# Altium PCB cat.PcbDoc (part 3 of 3)
Units mm, origin at the board's own origin, x right, y up, seen from the top; angles counter-clockwise.
Board outline 65 x 116 mm, 4 copper layers (Top Layer, Layer 2, Layer 3, Bottom Layer), stack 1.518 mm thick; 236 components, 164 nets, 890 pads, 231 vias.
Unrouted connection lines stored in the file: 330.
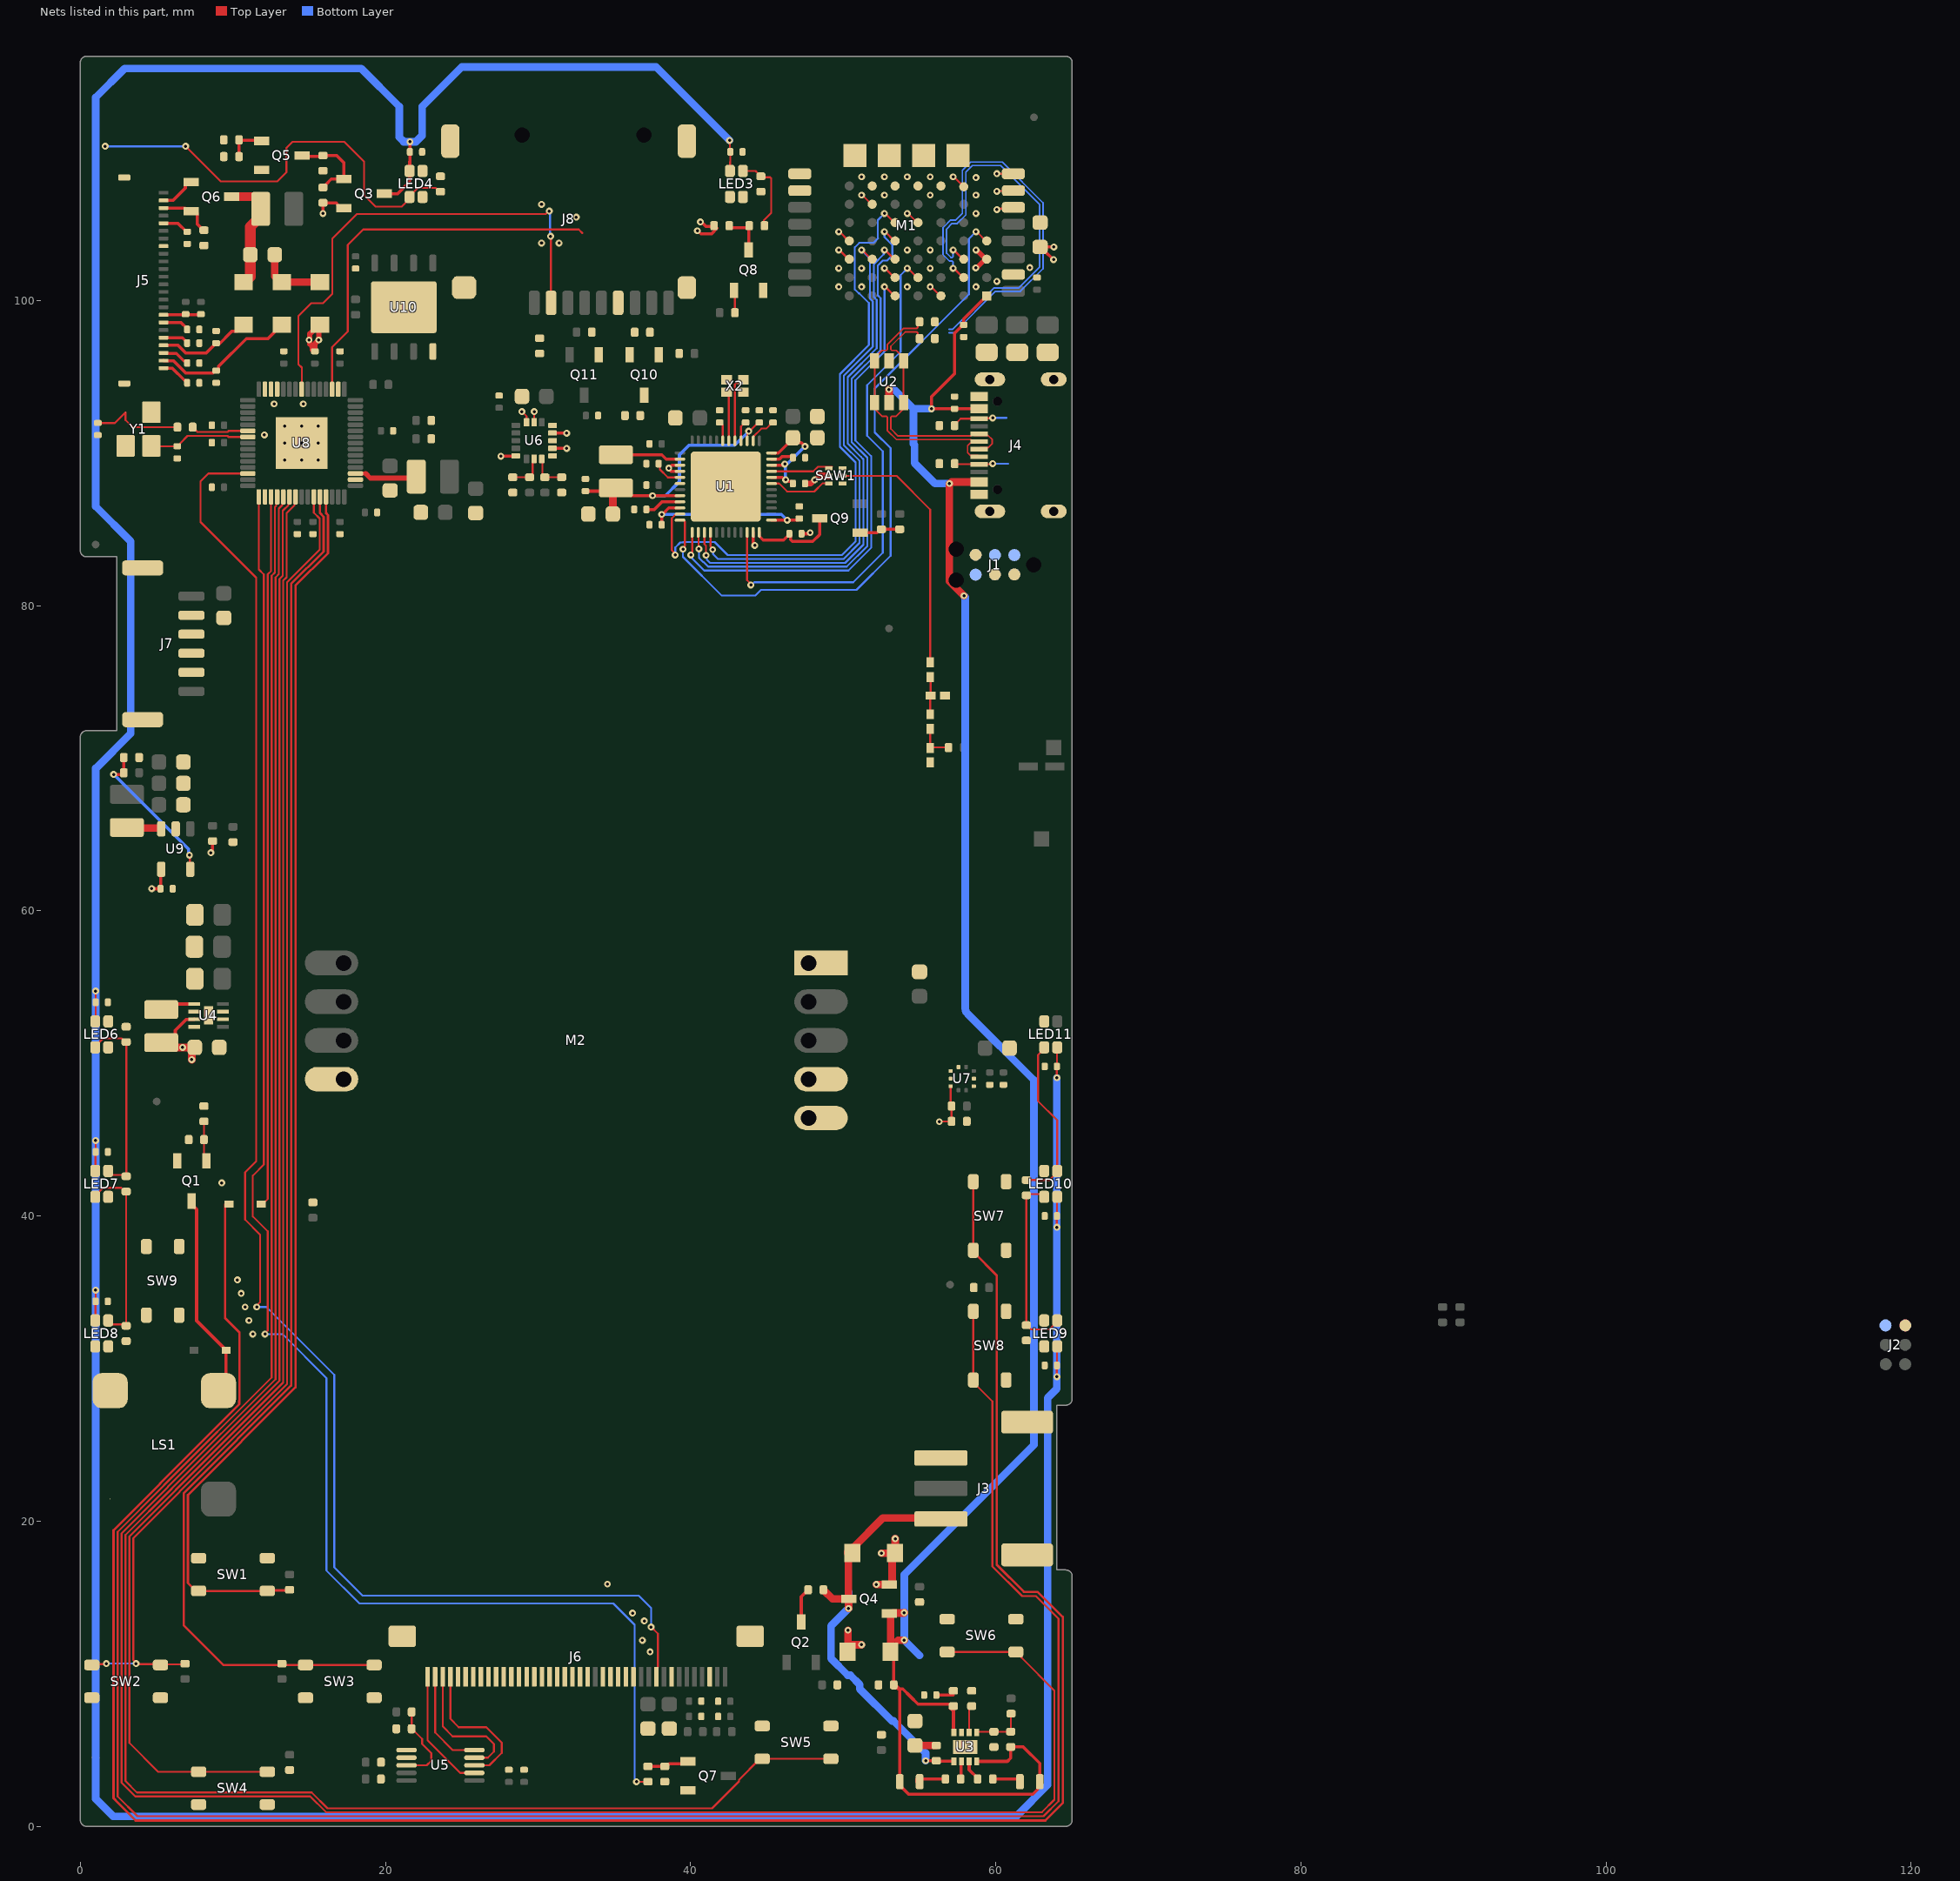
[diagram p5: the nets of this part, all layers, seen from the top]

## Via types
v1: diameter 0.45, hole 0.2, Top Layer to Bottom Layer, tented both sides, 222 vias
v2: diameter 0.5, hole 0.2, Top Layer to Bottom Layer, 9 vias

## Nets (pads, with @x,y where several pads share a name; then routed paths per layer and width w, separated by ;. In a path a pad name is that pad's centre, name@x,y a point inside that pad or via, vN(x,y) a via of type N, cw(c..) or ccw(c..) an arc to the next point about the centre after c; other vN are vias at no path point) (continued)
GND: C1.1 C2.2 C3.1 C4.2 C5.1 C6.1 C7.1 C8.1 C9.2 C10.1 C11.1 C12.1 C13.1 C14.1 C16.1 C17.1 C18.1 C19.1 C20.1 C21.1 C22.1 C23.1 C24.1 C25.1 C26.1 C27.1 C28.1 C29.1 C30.1 C31.1 C32.1 C33.1 C34.1 C35.1 C36.1 C37.1 C38.1 C39.1 C40.1 C41.1 C42.1 C43.1 C44.1 C45.1 C46.1 C47.1 C48.1 C49.1 C50.1 C51.1 C52.1 C53.1 C54.1 C55.1 C56.1 C57.2 C58.1 C59.1 C60.1 C61.2 C62.2 C63.1 C64.1 C65.1 C66.1 C67.1 C68.1 C69.1 C70.1 C71.1 C72.1 C73.1 C74.1 C75.1 C76.1 C77.1 C78.1 C79.1 C80.1 C81.1 C82.1 C83.1 C84.1 C85.1 C86.1 D14.K J1.5 J2.5 J3.3 J3.MP J4.A1/B12 J4.B1/A12 J4.MP@59.61,86.175 J4.MP@59.61,94.825 J4.MP@63.79,86.175 J4.MP@63.79,94.825 J5.8 J5.17 J5.MP J6.5 J6.6 J6.7 J6.8 J6.9 J6.10 J6.11 J6.12 J6.13 J6.14 J6.15 J6.16 J6.17 J6.18 J6.19 J6.20 J6.21 J6.22 J6.24 J6.25 J6.26 J6.27 J6.28 J6.33 J6.38 J6.MP J7.2 J7.5 J7.MP J8.6 J8.MP JP2.2 JP13.2 JP15.2 L1.1 L6.1 LED3.3 LED4.3 LED6.3 LED7.3 LED8.3 LED9.3 LED10.3 LED11.3 LS1.MP M1.10 M1.A0 M1.B0 M1.C0 M1.D0 M1.H0 M1.H1 M1.H2 M1.H3 M2.1 M2.6 Q1.2 Q5.2 Q7.2 Q10.2 R6.2 R7.2 R14.1 R15.1 R16.1 R21.1 R24.1 R25.1 R27.2 R29.2 R30.1 R32.2 R39.2 R41.1 R42.1 R49.1 R57.2 SAW1.2 SAW1.5 SAW1.7 SW1.3 SW1.4 SW2.3 SW2.4 SW3.3 SW3.4 SW4.3 SW4.4 SW5.3 SW5.4 SW6.3 SW6.4 SW7.3 SW7.4 SW8.3 SW8.4 SW9.1 SW9.2 U1.27 U1.28 U1.47 U1.EP U2.2 U3.3 U3.EP U4.2 U4.4 U4.7 U4.EP U5.6 U6.5 U6.10 U6.12 U7.3 U7.8 U7.9 U8.47 U8.EP U9.2 U10.4 U10.EP X2.2 X2.4 Y1.2 Y1.4 | length 14.4
  Top Layer w0.203: J5.17@5.45,99.057 5.451,99.059 7.859,99.059 C24.1@7.9,99.1 ; v1(27.559,89.789) 27.571,89.801 28.531,89.801 U6.5@28.542,89.812 ; U6.10@30.942,90.312 30.95,90.305 31.869,90.305 v1(31.877,90.297) ; U6.12@30.942,91.312 30.95,91.305 31.869,91.305 v1(31.877,91.297) ; U1.28@39.3,88.8 38.72,88.8 38.566,88.954 v1(38.566,89.008) 38.758,89.2 U1.27@39.3,89.2 ; U1.47@44.1,84.8 44.1,84.043 v1(44.196,83.947) ; C53.1@47.263,84.709 47.758,84.709 v1(47.828,84.779)
  Top Layer w0.35: C62.2@47.5,88 47.876,88 v1(48.119,88.243) 48.186,88.243 48.451,88.508 ; v1(14.986,97.409) 15.033,97.456 15.033,97.808 15.625,98.4 D14.K@15.7,98.4 15.621,98.321 v1(15.621,97.409) 15.367,97.155 C75.1@15.367,96.666 15.317,96.666 15.219,96.764 15.219,96.954 15.033,97.14 15.033,97.362 v1(14.986,97.409)
  Top Layer w0.45: 48.451,88.508 SAW1.2@49.05,88.508
  other v1: 37.338,11.43 36.83,12.192 36.957,13.462 36.195,13.97 34.544,15.875 11.303,32.258 11.049,33.147 10.795,34.036 10.541,34.925 10.287,35.814 9.271,42.164 12.065,91.186 12.7,93.218 14.605,93.218 49.7,100.9 51.2,100.9 54.2,100.9 58.7,100.9 60.073,101.254 49.7,102.1 51.2,102.1 55.7,102.1 62.227,102.145 54.2,103.3 55.7,103.3 30.226,103.759 31.369,103.759 32.5,105.461 58.7,105.7 30.226,106.299 52.7,106.9 55.7,106.9 58.7,106.9 58.7,108.052 51.2,108.1 52.7,108.1 54.2,108.1 55.7,108.1
  other v2: 13.4,89.554 14.5,89.554 15.6,89.554 13.4,90.654 14.5,90.654 15.6,90.654 13.4,91.754 14.5,91.754 15.6,91.754
IMU_INT1: U6.11 U8.13
IMU_INT2: U6.9 U8.14
LCD_BL: R31.1 U8.31 | length 106.4
  Top Layer w0.127: U8.31@11.7,87.129 11.7,82.369 12.027,82.042 12.027,43.374 11.303,42.649 11.303,39.967 12.281,38.989 12.281,32.494 12.095,32.307 v1(12.095,32.258) ; v1(36.449,2.921) 36.451,2.923 37.198,2.923 R31.1@37.2,2.925
  Bottom Layer w0.127: v1(12.095,32.258) 13.248,32.258 16.129,29.377 16.129,16.764 18.288,14.605 34.925,14.605 36.322,13.208 36.322,3.135 36.449,3.008 v1(36.449,2.921)
LCD_C\S\: J6.31 U8.28 | length 105.9
  Top Layer w0.127: U8.28@10.975,88.654 8.39,88.654 7.874,88.138 7.874,85.477 8.128,85.223 11.519,81.832 11.519,43.584 10.795,42.86 10.795,39.757 11.773,38.779 11.773,34.34 11.557,34.123 v1(11.557,34.036) ; v1(37.405,13.059) 37.846,12.618 37.846,10.461 37.837,10.451 37.837,9.887 J6.31@37.75,9.8
  Bottom Layer w0.127: v1(11.557,34.036) 12.188,34.036 16.637,29.587 16.637,16.974 18.498,15.113 36.598,15.113 37.405,14.306 v1(37.405,13.059)
LED_CONTROL: M1.A1 R28.1 | length 0.9
  Top Layer w0.127: v1(51.2,106.9) 51.25,106.9 51.85,106.3 M1.A1@51.9,106.3
NetC1_2: C1.2 R48.1 Y1.1 | length 6.1
  Top Layer w0.127: C1.2@1.143,91.967 2.26,91.967 Y1.1@2.96,92.667 2.96,92.163 3.429,91.694 R48.1@6.231,91.694
NetC9_1: C9.1 C49.2 C51.2 L2.1 U1.15 U1.32 | length 18.7
  Top Layer w0.127: U1.15@43.7,90.8 43.714,90.814 43.714,91.247 43.806,91.338 v1(43.806,91.426) 43.856,91.426 44.43,92 C9.1@44.5,92
  Top Layer w0.203: C51.2@33.1,87.501 34.886,87.501 L2.1@35.1,87.715 35.623,87.715 36.138,87.2 v1(37.5,87.2) U1.32@39.3,87.2
  Top Layer w0.5: L2.1@34.886,87.501 34.9,87.487 C49.2@34.9,86
  Bottom Layer w0.203: v1(37.5,87.2) 38.335,87.2 39.265,88.13 39.265,89.879 39.886,90.5 42.88,90.5 v1(43.806,91.426)
NetC11_2: C11.2 R12.1 | length 1.4
  Top Layer w0.5: C11.2@54.7,5.3 R12.1@56.1,5.3
NetC12_2: C12.2 R13.1 | length 1.1
  Top Layer w0.203: C12.2@56.1,8.6 57.2,8.6
NetC14_2: C14.2 D12.K J5.21 | length 6.2
  Top Layer w0.203: J5.21@5.45,97.057 6.393,97.057 6.904,96.546 8.246,96.546 8.752,97.052 8.752,97.102 8.85,97.2 C14.2@8.9,97.2 ; C14.2@9.05,97.1 9.927,97.977 10.277,97.977 D12.K@10.7,98.4
NetC15_1: C15.1 D12.A L4.2 Q6.3 | length 7.2
  Top Layer w0.55: Q6.3@9.925,106.8 L4.2@11.815,106.8
  Top Layer w0.7: D12.A@10.7,101.2 10.775,101.2 11.138,101.563 C15.1@11.138,102.997 11.138,104.828 11.815,105.505 L4.2@11.815,106
NetC15_2: C15.2 D13.K D14.A | length 4.5
  Top Layer w0.5: C15.2@12.738,102.997 12.738,101.587 13.125,101.2 D13.K@13.2,101.2 D14.A@15.7,101.2
NetC17_2: C17.2 D13.A J5.23 | length 9.5
  Top Layer w0.203: J5.23@5.45,96.057 5.473,96.034 6.11,96.034 6.905,95.239 8.689,95.239 8.85,95.4 8.95,95.4 9.048,95.498 9.048,95.662 10.88,97.494 12.294,97.494 D13.A@13.2,98.4
NetC18_2: C18.2 J5.5 | length 1.8
  Top Layer w0.203: J5.5@5.45,105.057 6.393,105.057 6.95,104.5 C18.2@7,104.5
NetC19_2: C19.2 J5.18 | length 1.8
  Top Layer w0.203: J5.18@5.45,98.557 6.593,98.557 7,98.15 C19.2@7,98.1
NetC20_2: C20.2 J5.20 | length 1.7
  Top Layer w0.203: J5.20@5.45,97.557 6.693,97.557 7,97.25 C20.2@7,97.2
NetC21_2: C21.2 J5.22 | length 1.9
  Top Layer w0.203: J5.22@5.45,96.557 5.473,96.534 6.285,96.534 6.77,96.048 6.902,96.048 7,95.95 C21.2@7,95.9
NetC22_2: C22.2 J5.24 | length 2
  Top Layer w0.203: J5.24@5.45,95.557 6.026,95.557 6.835,94.748 6.902,94.748 7,94.65 C22.2@7,94.6
NetC53_2: C53.2 Q9.3 U1.48 | length 6.2
  Top Layer w0.2: U1.48@44.5,84.8 44.5,84.55 44.75,84.3 46.1,84.3 46.35,84.55 46.4,84.55 C53.2@46.5,84.65 ; C53.2@46.5,84.7 46.5,84.55 46.537,84.55 46.537,84.321 46.654,84.204 48.009,84.204 48.459,84.654 48.459,85.55 Q9.3@48.634,85.725
NetC54_2: C54.2 U1.11 | length 1.5
  Top Layer w0.203: U1.11@45.3,89.6 45.817,89.6 45.975,89.758 46.602,89.758 46.7,89.66 C54.2@46.7,89.65
NetC55_2: C55.2 U1.16 | length 1.3
  Top Layer w0.127: U1.16@43.3,90.8 43.3,91.73 43.57,92 C55.2@43.6,92
NetC56_2: C56.2 U1.19 | length 1.3
  Top Layer w0.127: C56.2@41.9,92 41.93,92 42.1,91.83 U1.19@42.1,90.8
NetC57_1: C57.1 U1.14 | length 1.9
  Top Layer w0.127: U1.14@44.1,90.8 44.1,91.061 44.639,91.6 44.95,91.6 45.35,92 C57.1@45.4,92
NetC58_2: C58.2 U1.33 | length 2.4
  Top Layer w0.203: C58.2@37.1,86.3 37.621,86.3 38.121,86.8 U1.33@39.3,86.8
NetC59_2: C59.2 U1.29 | length 1.9
  Top Layer w0.127: C59.2@37.9,89.3 37.983,89.217 37.983,88.925 38.508,88.4 U1.29@39.3,88.4
NetC60_2: C60.2 C61.1 U1.1 U1.34 | length 12.3
  Top Layer w0.203: C61.1@38.1,85.3 v1(38.1,85.979) 38.151,85.979 38.572,86.4 U1.34@39.3,86.4 ; U1.1@45.3,85.6 45.301,85.601 46.324,85.601 v1(46.325,85.602) 46.85,85.602 46.855,85.608 47.019,85.608 C60.2@47.117,85.706
  Bottom Layer w0.203: v1(38.1,85.979) 45.948,85.979 v1(46.325,85.602)
NetC62_1: C62.1 C63.2 U1.8 U1.10 U1.12 | length 7.8
  Top Layer w0.203: U1.8@45.3,88.4 46.011,88.4 46.15,88.261 46.15,88.174 v1@46.179,88.204 ; U1.10@45.3,89.2 46.028,89.2 46.107,89.279 v1(46.173,89.279) ; U1.12@45.3,90 45.75,90 C63.2@46.32,90.57 ; v1(46.227,88.251) v1@46.179,88.204 ; C62.1@46.65,88 46.65,88.1 46.602,88.148 46.396,88.148 46.341,88.204 v1@46.179,88.204 ; C63.2@46.7,91 47.015,90.686 47.242,90.686 v1(47.5,90.427)
  Bottom Layer w0.203: v1(46.227,88.251) 46.2,88.277 46.2,89.252 v1(46.173,89.279) 46.221,89.326 46.369,89.326 47.47,90.427 v1(47.5,90.427)
NetC68_2: C68.2 U8.22 Y1.3 | length 6.7
  Top Layer w0.127: Y1.3@4.66,90.186 4.917,90.443 6.38,90.443 6.536,90.599 6.536,90.63 7.025,91.118 9.637,91.118 9.702,91.054 U8.22@10.975,91.054
NetD1_K: D1.K SW7.1 SW7.2 | length 149.7
  Top Layer w0.152: D1.K@9.486,40.767 9.486,33.313 10.426,32.373 10.426,28.171 10.415,27.665 5.219,22.469 5.219,22.451 2.171,19.404 2.171,1.847 2.286,1.732 2.286,1.714 3.619,0.381 63.246,0.381 64.389,1.524 64.389,13.716 62.738,15.367 61.843,15.367 60.061,17.149 60.061,36.108 58.525,37.643 SW7.1@58.525,37.75 SW7.2@58.525,42.25
NetD9_A: D9.A LS1.- Q1.3 | length 13.4
  Top Layer w0.203: Q1.3@7.3,40.975 7.3,40.75 7.62,40.43 7.62,33.135 D9.A@9.555,31.2 9.555,28.645 LS1.-@9.65,28.55
NetJ4_A5: J4.A5 R14.2 | length 3.5
  Top Layer w0.127: R14.2@57.3,89.3 57.325,89.275 58.875,89.275 J4.A5@58.9,89.25 58.925,89.275 59.775,89.275 v1(59.8,89.3)
  Bottom Layer w0.127: v1(59.8,89.3) 60.8,89.3
NetJ4_B5: J4.B5 R16.2 | length 3.6
  Top Layer w0.127: R16.2@57.3,91.8 57.3,91.85 57.7,92.25 J4.B5@58.9,92.25 58.925,92.275 59.775,92.275 v1(59.8,92.3)
  Bottom Layer w0.127: v1(59.8,92.3) 60.7,92.3
NetJ5_2: J5.2 Q6.1 | length 2.4
  Top Layer w0.203: J5.2@5.45,106.557 6.08,106.557 6.877,107.354 6.877,107.577 7.05,107.75 Q6.1@7.275,107.75
NetJ5_3: J5.3 Q6.2 R30.2 | length 3.7
  Top Layer w0.203: J5.3@5.45,106.057 6.843,106.057 7.05,105.85 Q6.2@7.275,105.85 7.5,105.85 7.673,105.677 7.673,104.989 8.063,104.6 R30.2@8.1,104.6
NetJP1_2: JP1.2 JP2.1 U5.8 | length 5.6
  Top Layer w0.127: U5.8@21.375,4 22.7,4 23,4.3 23,4.8 22.4,5.4 22.4,5.724 21.717,6.407 JP1.2@21.717,7.621
NetJP3_1: JP3.1 LED3.4 R35.2 | length 5.1
  Top Layer w0.127: LED3.4@43.425,108.485 44.25,108.485 44.401,108.334 44.401,108.317 44.583,108.135 JP3.1@44.6,108.135 44.658,108.077 45.204,108.077 45.278,108.003 45.278,105.728 44.8,105.25 44.8,105.2
NetJP3_2: JP3.2 JP4.1 LED3.1 LED4.4
NetJP4_2: JP4.2 JP6.1 LED4.1 LED6.4 | length 29
  Top Layer w0.127: v1(6.9,110.1) 9.2,107.8 12.9,107.8 13.5,108.4 13.5,110 13.9,110.4 17.3,110.4 18.6,109.1 18.6,106.9 19.35,106.15 21.06,106.15 21.575,106.665 21.575,106.834 22.116,107.376 23.289,107.376 23.525,107.14 23.612,107.14 JP4.2@23.799,106.953
  Bottom Layer w0.127: v1(1.627,110.1) v1(6.9,110.1)
NetJP6_2: JP6.2 JP7.1 LED6.1 LED7.4 | length 13.4
  Top Layer w0.127: LED6.1@0.975,51.05 0.975,51.125 1.49,51.641 2.689,51.641 2.93,51.4 JP6.2@3,51.4 ; JP6.2@2.95,51.4 3.01,51.34 3.01,42.782 JP7.1@3,42.782 ; LED7.4@1.825,42.947 LED7.4@1.825,42.95 ; LED7.4@1.825,42.947 LED7.4@2.079,42.693 ; LED7.4@1.825,42.947 LED7.4@1.825,42.95 ; LED7.4@1.825,42.947 LED7.4@2.079,42.693 ; LED7.4@1.825,42.947 LED7.4@2.079,42.693 ; LED7.4@1.825,42.947 LED7.4@1.825,42.95 ; LED7.4@2.079,42.693 JP7.1@2.907,42.693 ; JP7.1@2.907,42.693 2.912,42.693 JP7.1@3,42.782 ; JP7.1@2.907,42.693 JP7.1@3,42.6 JP7.1@3,42.782
NetJP7_2: JP7.2 JP8.1 LED7.1 LED8.4 | length 13.3
  Top Layer w0.127: LED7.1@0.975,41.25 0.975,41.325 1.49,41.841 2.676,41.841 2.917,41.6 JP7.2@3,41.6 ; JP8.1@3,32.8 2.907,32.893 LED8.4@2.079,32.893 ; JP8.1@3.01,32.8 3,32.81 3,41.59 JP7.2@3.01,41.6 ; LED8.4@1.825,33.147 LED8.4@1.825,33.15 ; LED8.4@1.825,33.147 LED8.4@2.079,32.893 ; LED8.4@1.825,33.147 LED8.4@1.825,33.15 ; LED8.4@1.825,33.147 LED8.4@2.079,32.893 ; LED8.4@1.825,33.147 LED8.4@1.825,33.15 ; LED8.4@1.825,33.147 LED8.4@2.079,32.893
NetJP8_2: JP8.2 JP9.1 LED8.1 LED9.4
NetJP9_2: JP9.2 JP10.1 LED9.1 LED10.4 | length 12.1
  Top Layer w0.127: JP9.2@62,32.845 62,40.753 JP10.1@62,41.35 62.086,41.436 62.989,41.436 LED10.4@63.175,41.25 ; JP9.2@62.026,32.845 62.311,32.56 63.509,32.56 LED9.1@64.025,33.075
NetJP10_2: JP10.2 LED10.1 LED11.4 | length 11
  Top Layer w0.127: JP10.2@62.192,42.492 62.324,42.359 63.509,42.359 LED10.1@63.987,42.838 ; LED11.4@63.175,51.05 63.175,50.952 62.774,50.552 62.774,47.525 64.025,46.274 64.025,42.875 LED10.1@64.025,42.8
NetJP12_2: JP12.2 JP13.1 U6.7 | length 2.4
  Top Layer w0.127: JP13.1@28.342,88.412 JP12.2@29.442,88.412 29.457,88.412 29.639,88.594 29.639,89.509 U6.7@29.742,89.612
NetJP14_2: JP14.2 JP15.1 U6.8 | length 2.4
  Top Layer w0.127: U6.8@30.242,89.612 30.284,89.57 30.284,88.57 JP14.2@30.442,88.412 JP15.1@31.542,88.412
NetL1_2: L1.2 L5.1 R22.1 | length 2.5
  Top Layer w0.119: L5.1@55.7,71.925 L1.2@55.7,70.675 55.725,70.7 R22.1@56.9,70.7
NetL2_2: L2.2 U1.26 | length 4.3
  Top Layer w0.203: L2.2@35.1,89.885 38.115,89.885 38.4,89.6 U1.26@39.3,89.6
NetL3_2: L3.2 U4.1 | length 1.8
  Top Layer w0.203: L3.2@5.663,53.889 U4.1@7.458,53.889
NetL5_2: L5.2 L6.2 L7.1 | length 2.5
  Top Layer w0.119: L5.2@55.7,72.875 55.7,74.075 L6.2@55.725,74.1 55.725,75.3 L7.1@55.7,75.325
NetL7_2: L7.2 SAW1.6 | length 16.7
  Top Layer w0.119: SAW1.6@49.95,88.508 53.492,88.508 55.7,86.3 L7.2@55.7,76.275
NetL8_1: L8.1 U9.3 | length 2.3
  Top Layer w0.5: L8.1@3.049,65.461 3.094,65.416 5.274,65.416 5.299,65.391 U9.3@5.299,65.371
NetL9_1: L9.1 U8.48 | length 4.2
  Top Layer w0.24: U8.48@18.025,88.654 18.7,88.654
  Top Layer w0.32: 18.7,88.654 19,88.354 21.915,88.354 L9.1@22.015,88.454
NetLED1_1: LED1.1 R17.1 | length 1.8
  Top Layer w0.203: R17.1@59.8,3.1 61.433,3.1 61.444,3.089 LED1.1@61.444,2.907
NetLED2_1: LED2.1 R18.1 | length 2.1
  Top Layer w0.203: LED2.1@54.827,2.9 54.827,3.1 R18.1@56.7,3.1
NetQ1_1: Q1.1 R5.2 R6.1 | length 2.6
  Top Layer w0.127: R5.2@8.1,46.2 R6.1@8.1,45 8.1,43.775 Q1.1@8.25,43.625
NetQ2_3: Q2.3 R23.1 | length 2.3
  Top Layer w0.203: Q2.3@47.244,13.39 47.244,15.044 R23.1@47.7,15.5
NetQ3_1: Q3.1 Q5.3 R26.1 R27.1 | length 5.8
  Top Layer w0.203: Q5.3@14.525,109.5 14.575,109.45 16.008,109.45 R27.1@16.058,109.4 ; R26.1@15.9,107.4 15.937,107.4 16.084,107.547 16.084,107.584 16.45,107.95 Q3.1@17.275,107.95 17.275,109.025 16.8,109.5 R27.1@15.9,109.5
NetQ5_1: Q5.1 R28.2 R29.1 | length 2.6
  Top Layer w0.203: R29.1@10.4,109.425 R28.2@10.4,110.525 10.438,110.487 11.838,110.487 Q5.1@11.875,110.45
NetQ7_1: Q7.1 R31.2 R32.1 | length 2.8
  Top Layer w0.203: R31.2@37.2,3.925 R32.1@38.3,3.925 38.434,4.059 38.567,4.059 38.617,4.109 39.68,4.109 Q7.1@39.823,4.252
NetQ8_1: Q8.1 R37.1 | length 1.4
  Top Layer w0.127: R37.1@42.9,99.192 Q8.1@42.9,100.617
NetQ8_3: Q8.3 R35.1 R36.1 | length 2.7
  Top Layer w0.203: R36.1@42.736,104.767 R35.1@43.836,104.767 ; Q8.3@43.8,103.317 43.8,104.858 R35.1@43.836,104.894
NetQ9_1: Q9.1 R46.1 R47.2 | length 2.7
  Top Layer w0.2: Q9.1@51.109,84.775 52.211,84.775 52.436,85 R46.1@52.5,85 R47.2@53.7,85
NetQ10_1: Q10.1 R7.1 R44.2
NetQ10_3: Q10.3 Q11.1 R45.1 R57.1
NetR15_2: R15.2 U3.2 | length 1.8
  Top Layer w0.127: U3.2@58.25,6.145 58.25,7.712 R15.2@58.42,7.882
NetR17_2: R17.2 U3.7 | length 1.4
  Top Layer w0.127: R17.2@58.8,3.1 58.8,3.15 R17.2@58.8,3.157
  Top Layer w0.203: U3.7@58.25,4.255 58.25,3.7 R17.2@58.8,3.15
NetR18_2: R18.2 U3.6 | length 1.2
  Top Layer w0.203: R18.2@57.7,3.1 57.725,3.125 57.725,4.23 U3.6@57.75,4.255
NetR19_2: R19.2 R20.2 R21.2 U3.1 | length 3.4
  Top Layer w0.127: U3.1@58.75,6.145 58.805,6.2 R21.2@59.875,6.2 R19.2@60.975,6.2 60.988,6.213 60.988,7.373 R20.2@61,7.386
NetR38_2: R38.2 R39.1 U7.5 | length 3.1
  Top Layer w0.127: v1(56.3,46.175) 56.312,46.187 57.087,46.187 R39.1@57.1,46.2 R38.2@57.1,47.2 57.04,47.26 U7.5@57.04,48.5
NetR42_2: R42.2 R43.1 U9.5 | length 10
  Top Layer w0.127: v1(7.149,63.646) 7.174,63.621 7.174,62.746 U9.5@7.199,62.721
  Top Layer w0.203: v1(2.181,68.939) 2.742,68.939 R43.1@2.849,69.046 R42.2@2.849,70.046
  Bottom Layer w0.203: v1(2.181,68.939) 7.102,64.018 7.102,63.693 v1(7.149,63.646)
NetR48_2: R48.2 U8.21 | length 3.7
  Top Layer w0.127: R48.2@7.358,91.567 7.468,91.567 7.578,91.458 7.603,91.458 7.68,91.381 9.637,91.381 9.711,91.454 U8.21@10.975,91.454
NetSAW1_1: SAW1.1 U1.9 | length 4.1
  Top Layer w0.119: U1.9@45.3,88.8 48.033,88.8 48.333,89.1 SAW1.1@49.258,89.1
NetSAW1_3: SAW1.3 U1.7 | length 4.2
  Top Layer w0.119: U1.7@45.3,88 45.8,88 46.316,87.484 48.13,87.484 ; 48.13,87.5 48.638,88.008 SAW1.3@49.05,88.008
NetTP22_1: U6.16 | length 0.8
  Top Layer w0.127: v1(28.942,92.712) 29.242,92.412 U6.16@29.242,92.012
NetTP23_1: U6.15 | length 0.7
  Top Layer w0.127: U6.15@29.742,92.012 v1(29.742,92.712)
NetTP24_1: U6.13
NetU1_17: U1.17 X2.1 | length 4.5
  Top Layer w0.127: U1.17@42.9,90.8 42.9,94.5 42.992,94.592 43.242,94.592 X2.1@43.487,94.837 ; X2.1@43.437,95.037 X2.1@43.487,95.037
NetU1_18: U1.18 X2.3 | length 3.5
  Top Layer w0.127: X2.3@42.325,93.975 42.5,93.8 U1.18@42.5,90.8 ; X2.3@42.325,94.175 X2.3@42.5,94
nRF_C\S\: M1.B5 U8.3 | length 26.7
  Top Layer w0.127: U8.3@16.5,94.179 16.5,96.935 17.526,97.961 17.526,103.632 18.542,104.648 32.661,104.648 32.904,104.405 ; v1(52.7,102.1) 52.75,102.1 53.35,101.5 M1.B5@53.4,101.5
nRF_D0: M1.B6 U1.37 | length 33.7
  Top Layer w0.127: v1(40.005,83.312) 40.005,83.399 40.1,83.494 U1.37@40.1,84.8 ; v1(52.7,100.9) 52.75,100.9 53.35,100.3 M1.B6@53.4,100.3
  Bottom Layer w0.127: v1(40.005,83.312) 40.005,83.225 40.108,83.121 40.108,83.082 40.894,82.296 50.336,82.296 51.829,83.789 51.829,89.798 50.8,90.827 50.8,94.755 52.7,96.655 v1(52.7,100.9)
nRF_D1: M1.B3 U1.38 | length 37.1
  Top Layer w0.127: U1.38@40.5,84.8 40.514,84.786 40.514,83.747 v1(40.541,83.72) ; v1(52.7,104.5) 52.75,104.5 53.35,103.9 M1.B3@53.4,103.9
  Bottom Layer w0.127: v1(40.541,83.72) 40.541,83.157 40.563,83.135 40.563,83.113 40.822,82.854 40.844,82.854 41.148,82.55 50.23,82.55 51.575,83.894 51.575,89.693 50.546,90.722 50.546,94.86 52.446,96.76 52.446,100.143 52.259,100.33 52.259,102.283 52.592,102.616 52.876,102.616 53.224,102.964 53.224,103.621 52.7,104.145 v1(52.7,104.5)
nRF_D2: M1.B4 U1.39 | length 34.5
  Top Layer w0.127: U1.39@40.9,84.8 40.9,84.021 41.004,83.917 v1(41.004,83.295) ; v1(52.7,103.3) 52.75,103.3 53.35,102.7 M1.B4@53.4,102.7
  Bottom Layer w0.127: v1(41.004,83.295) 41.061,83.239 41.061,83.018 41.275,82.804 50.125,82.804 51.321,83.999 51.321,89.588 51.172,89.736 50.292,90.616 50.292,94.965 52.192,96.865 52.192,100.037 52.005,100.224 52.005,102.388 52.642,103.025 52.642,103.242 v1(52.7,103.3)
nRF_D3: M1.A4 U1.40 | length 33.3
  Top Layer w0.127: U1.40@41.3,84.8 41.3,83.9 41.445,83.755 v1(41.445,83.668) ; v1(51.2,103.3) 51.25,103.3 51.85,102.7 M1.A4@51.9,102.7
  Bottom Layer w0.127: v1(41.445,83.668) 41.476,83.637 41.476,83.365 41.783,83.058 50.02,83.058 51.067,84.105 51.067,89.483 51.044,89.505 50.038,90.511 50.038,95.071 51.938,96.971 51.938,99.932 51.751,100.119 51.751,102.749 v1(51.2,103.3)
nRF_D+: M1.E4 R10.2 | length 25.8
  Top Layer w0.127: v1(57.2,103.3) 57.25,103.3 57.85,102.7 M1.E4@57.9,102.7
  Bottom Layer w0.105: 56.933,98.112 57.177,98.112 59.889,100.824 61.514,100.824 62.865,102.175 62.865,106.299 60.325,108.839 58.457,108.839 58.039,108.421 58.039,105.604 57.474,105.039 57.131,105.039 56.77,104.678 56.77,103.098 57.052,102.816 57.139,102.816 57.2,102.877 v1(57.2,103.3)
nRF_D-: M1.E5 R11.2 | length 27.3
  Top Layer w0.127: v1(57.2,102.1) 57.25,102.1 57.85,101.5 M1.E5@57.9,101.5
  Bottom Layer w0.105: 56.933,97.88 57.273,97.88 59.985,100.593 61.61,100.593 63.097,102.079 63.097,106.395 60.421,109.071 58.361,109.071 57.807,108.517 57.807,105.7 57.378,105.27 57.035,105.27 56.539,104.774 56.539,103.002 56.956,102.584 57.139,102.584 57.2,102.523 v1(57.2,102.1)
nRF_SCK: M1.B2 U1.35 | length 41.8
  Top Layer w0.127: v1(38.989,83.312) 38.989,83.399 38.76,83.629 38.76,85.72 39.039,86 U1.35@39.3,86 ; v1(52.7,105.7) 52.75,105.7 53.35,105.1 M1.B2@53.4,105.1
  Bottom Layer w0.127: v1(38.989,83.312) 38.989,83.809 39.314,84.134 39.497,84.134 39.524,84.161 41.575,84.161 42.424,83.312 49.915,83.312 50.813,84.21 50.813,89.377 49.784,90.406 49.784,95.176 51.684,97.076 51.684,99.827 51.052,100.459 51.017,100.459 50.759,100.717 50.759,103.483 51.051,103.774 51.98,103.774 52.271,104.066 52.259,104.078 52.259,105.259 v1(52.7,105.7)
nRF_SCL: J7.4 M1.2 M2.5 R9.2 U7.2
nRF_SDA: J7.3 M1.1 M2.4 R8.2 U7.4
nRF_SWCLK: J1.4 M1.15 | length 1.1
  Top Layer w0.127: v1(60.073,107.154) 60.096,107.177 61.127,107.177 M1.15@61.15,107.199
nRF_SWDIO: J1.2 M1.16 | length 1.1
  Top Layer w0.127: v1(60.073,108.306) 60.076,108.303 61.147,108.303 M1.16@61.15,108.299
RGB_DATA: M1.D6 Q8.2 | length 0.9
  Top Layer w0.127: v1(55.7,100.9) 55.75,100.9 56.35,100.3 M1.D6@56.4,100.3
SD_C\S\: J8.2 R49.2 U8.8 | length 32.4
  Top Layer w0.127: U8.8@14.5,94.179 14.559,94.238 14.514,94.284 14.514,95.595 14.291,95.818 14.291,98.978 15.135,99.822 15.897,99.822 16.51,100.435 16.51,104.053 18.121,105.664 30.498,105.664 30.685,105.851 v1(30.734,105.851) ; v1(30.82,104.207) 30.835,104.192 30.835,99.858 J8.2@30.85,99.843
  Bottom Layer w0.127: v1(30.734,105.851) 30.777,105.808 30.777,104.25 v1(30.82,104.207)
SEN55_BOOST: M1.E0 U4.6 | length 0.9
  Top Layer w0.127: v1(57.2,108.1) 57.25,108.1 57.85,107.5 M1.E0@57.9,107.5
SPEAKER_OUT: R5.1 U8.2
SW_A: R1.2 SW6.1 SW6.2 U8.35 | length 166.2
  Top Layer w0.127: U8.35@13.3,87.129 13.24,87.07 13.24,86.594 13.008,86.362 13.008,82.066 12.789,81.848 12.789,29.303 5.739,22.253 5.739,22.235 2.705,19.2 2.705,2.861 3.6,1.966 15.059,1.966 16.098,0.927 63.02,0.927 63.843,1.75 63.843,8.894 61.68,11.057 61.68,11.147 61.402,11.425 SW6.1@61.312,11.425 SW6.2@56.812,11.425
SW_B: R2.2 SW5.1 SW5.2 U8.36 | length 137
  Top Layer w0.127: U8.36@13.7,87.129 13.64,87.07 13.64,86.594 13.262,86.216 13.262,81.961 13.043,81.742 13.043,29.198 5.993,22.148 5.993,22.13 2.959,19.095 2.959,2.967 3.706,2.22 15.164,2.22 16.203,1.181 41.396,1.181 43.164,2.948 43.164,3.051 44.538,4.425 SW5.2@44.688,4.425 SW5.1@49.188,4.425
SW_DOWN: R4.2 SW4.1 SW4.2 U8.37 | length 96
  Top Layer w0.127: SW4.2@12.25,3.575 SW4.1@7.75,3.575 5.099,3.575 3.213,5.461 3.213,18.99 6.247,22.025 6.247,22.043 13.297,29.093 13.297,81.637 13.516,81.856 13.516,86.07 14.04,86.594 14.04,87.069 U8.37@14.1,87.129
SW_LEFT: R58.2 SW2.1 SW2.2 U8.40 | length 88
  Top Layer w0.127: SW2.1@0.75,10.575 0.796,10.622 1.659,10.622 v1(1.706,10.668) ; R58.2@6.858,10.66 6.816,10.618 5.293,10.618 SW2.2@5.25,10.575 5.203,10.622 3.7,10.622 v1(3.653,10.668) 3.653,10.717 3.467,10.904 3.467,18.885 6.501,21.92 6.501,21.937 13.551,28.988 13.551,81.532 15.68,83.661 15.68,85.71 15.3,86.091 U8.40@15.3,87.129
  Bottom Layer w0.127: v1(1.706,10.668) v1(3.653,10.668)
SW_RESET: M1.14 SW9.3 SW9.4 | length 1.1
  Top Layer w0.127: v1(60.073,105.954) 60.135,106.016 61.066,106.016 M1.14@61.15,106.099
SW_RIGHT: R59.2 SW3.1 SW3.2 U8.41 | length 91.4
  Top Layer w0.152: U8.41@15.7,87.129 15.7,86.068 15.947,85.821 15.947,83.551 13.818,81.422 13.818,28.877 6.768,21.827 6.768,13.171 9.364,10.575 SW3.1@14.753,10.575 SW3.2@19.253,10.575
SW_SELECT: R60.2 SW8.1 SW8.2 U8.34 | length 187.4
  Top Layer w0.127: U8.34@12.9,86.753 12.9,87.069 U8.34@12.9,87.129 12.84,87.069 12.84,86.553 12.754,86.467 12.754,82.171 12.535,81.953 12.535,29.408 5.485,22.358 5.485,22.341 2.438,19.293 2.438,1.957 3.735,0.66 63.13,0.66 64.11,1.64 64.11,13.6 62.622,15.088 61.727,15.088 59.782,17.034 59.782,27.843 58.525,29.1 SW8.1@58.525,29.25 SW8.2@58.525,33.75
SW_START: D1.A R61.2 U8.33 | length 46.7
  Top Layer w0.127: D1.A@11.85,40.767 12.012,40.929 12.1,40.929 12.281,41.11 12.281,82.058 12.5,82.276 U8.33@12.5,87.129
SW_UP: R3.2 SW1.1 SW1.2 U8.42 | length 82.1
  Top Layer w0.152: R3.2@13.843,15.502 13.805,15.463 12.288,15.463 SW1.1@12.25,15.425 SW1.2@7.75,15.425 7.562,15.425 7.047,15.94 7.047,21.712 14.097,28.762 14.097,81.306 16.226,83.435 16.226,85.936 16.1,86.062 U8.42@16.1,87.129
SYNC/ALIVE: M1.Z3 U8.32 | length 0.9
  Top Layer w0.127: v1(49.7,104.5) 49.75,104.5 50.35,103.9 M1.Z3@50.4,103.9
TOUCH_INT: U5.7 U8.12
TOUCH_X+: J6.1 U5.2 | length 8.1
  Top Layer w0.127: J6.1@22.75,9.3 22.75,5.65 24.9,3.5 U5.2@25.825,3.5
  Top Layer w0.152: J6.1@22.75,9.3 J6.1@22.75,9.8
TOUCH_X-: J6.3 U5.4 | length 9
  Top Layer w0.127: J6.3@23.75,9.8 23.75,6.55 24.4,5.9 26.6,5.9 27.1,5.4 27.1,4.9 26.7,4.5 U5.4@25.825,4.5
TOUCH_Y+: J6.4 U5.3 | length 9.6
  Top Layer w0.127: J6.4@24.25,9.8 24.25,7.05 24.8,6.5 26.6,6.5 27.616,5.484 27.616,4.816 26.8,4 U5.3@25.825,4
TOUCH_Y-: J6.2 U5.5 | length 6.6
  Top Layer w0.127: J6.2@23.25,9.737 23.25,6.15 24.4,5 U5.5@25.825,5
USB0_D+: J4.A6 J4.B6 R10.1 U2.1 U2.6 | length 17
  Top Layer w0.105: U2.6@53.954,92.894 53.475,92.415 53.181,92.415 53.12,92.353 53.12,91.581 53.585,91.116 58.346,91.116 58.48,91.25 58.578,91.152 59.492,91.152 59.766,90.878 59.766,90.621 59.493,90.348 58.998,90.348 J4.A6@58.9,90.25 ; U2.6@53.954,93.294 U2.1@53.954,96.044 53.954,96.244 53.475,96.723 53.181,96.723 53.12,96.785 53.12,96.996 54.058,97.934 54.822,97.934 54.883,97.873 54.883,97.617 R10.1@55,97.5
USB0_D-: J4.A7 J4.B7 R11.1 U2.3 U2.4 | length 17.6
  Top Layer w0.105: U2.4@52.054,92.894 52.534,92.415 52.827,92.415 52.888,92.353 52.888,91.485 53.489,90.884 58.346,90.884 58.48,90.75 J4.A7@58.9,90.75 58.802,90.652 58.329,90.652 58.151,90.474 58.151,90.026 58.329,89.848 58.802,89.848 J4.B7@58.9,89.75 ; U2.4@52.054,93.294 U2.3@52.054,96.044 52.054,96.244 52.534,96.723 52.827,96.723 52.888,96.785 52.888,97.092 53.963,98.166 54.822,98.166 54.883,98.227 54.883,98.483 R11.1@55,98.6
USB1_D+: R53.2
USB1_D-: R54.2
USB_MUX: M1.Z4 | length 0.9
  Top Layer w0.127: v1(49.7,103.3) 49.75,103.3 50.35,102.7 M1.Z4@50.4,102.7
VBAT: D11.A J3.1 Q4.3 R12.2 R23.2 U3.5 | length 28.7
  Top Layer w0.203: v1(55.4,4.3) R12.2@56.1,4.3 56.123,4.277 57.228,4.277 U3.5@57.25,4.255
  Top Layer w0.5: R23.2@48.7,15.5 48.7,15.45 48.75,15.45 49.3,14.9 50.33,14.9 50.346,14.916 v1(50.346,14.279) ; Q4.3@50.338,14.925 50.338,17.863 50.3,17.9 50.3,17.975 50.575,18.25 50.65,18.25 52.6,20.2 J3.1@56.3,20.2
  Bottom Layer w0.5: 50.346,15.339 v1(50.346,14.279) 49.2,13.133 49.2,10.998 50.3,9.898 50.471,9.898 51.084,9.286 51.084,9.011 53.19,6.905 53.293,6.905 55.4,4.798 v1(55.4,4.3)
VBUS: C4.1 C10.2 D10.A J4.A4/B9 J4.A9/B4 LED1.2 LED2.2 M1.F6 Q4.1 R13.2 R19.1 R25.2 U2.5 U3.4 U3.8 | length 143.7
  Top Layer w0.203: R25.2@53.311,9.271 53.311,9.234 53.458,9.087 53.495,9.087 53.582,9 53.7,9 ; 53.5,12.3 53.1,11.9 53.3,11.7 53.3,9.4 53.37,9.33 53.554,9.146 53.641,9.059 53.7,9 ; R13.2@57.019,7.731 57.15,7.6 57.2,7.6 57.225,7.575 57.225,6.17 U3.4@57.25,6.145 ; R13.2@57.22,7.882 57.102,8 54.9,8 54.4,8.5 53.9,9 53.7,9 ; U3.8@58.75,4.255 60.755,4.255 60.975,4.475 R19.1@60.975,5.2 61.8,5.2 62.88,4.12 LED1.2@62.88,2.849 ; J4.A9/B4@58.9,92.9 C4.1@57.3,92.9 v1(55.787,92.9) 55.787,93.687 57.3,95.2 57.3,97.85 57.85,98.4 C10.2@57.9,98.4 57.9,98.795 58.6,99.495 58.6,99.5 M1.F6@59.4,100.3 ; LED1.2@62.88,2.921 62.746,2.787 62.746,2.421 62.425,2.1 54.288,2.1 53.7,2.688 53.7,9
  Top Layer w0.5: U2.5@53.004,93.294 v1(53.004,94.169) ; Q4.1@53.025,13.95 Q4.1@53.075,13.95 ; D10.A@53.1,11.9 53.1,13.925 Q4.1@53.075,13.95 ; 53.6,12.2 v1(54,12.2) ; v1(54,14) 53.975,13.975 53.275,13.975 53.25,13.95 Q4.1@53.075,13.95 ; v1(56.959,88) 56.959,81.598 v1(57.912,80.645) ; v1@57,88 57.1,88.1 J4.A4/B9@58.9,88.1
  Bottom Layer w0.5: 53.3,94.2 54.6,92.9 ; 55,11.2 v1(54,12.2) 54,16.5 62.5,25 62.5,48.9 58.146,53.254 ; v1(55.787,92.9) 54.6,92.9 ; v1(56.959,88) 56.018,88 54.668,89.35 54.668,90.532 54.6,90.6 54.6,92.9 ; v1(57.912,80.645) 58,80.557 58,53.607 ccw(c58.5,53.607) 58.145,53.255
VLED: C31.2 C32.2 C34.2 C35.2 C36.2 C37.2 C38.2 C39.2 LED3.2 LED4.2 LED6.2 LED7.2 LED8.2 LED9.2 LED10.2 LED11.2 Q3.3 | length 293
  Top Layer w0.127: LED8.2@0.975,33.15 0.987,33.163 0.987,34.388 C36.2@1,34.4 v1(1,35.141) ; LED7.2@0.975,42.95 0.987,42.963 0.987,44.188 C35.2@1,44.2 v1(1,44.941) ; LED6.2@0.975,52.75 0.997,52.772 C34.2@0.997,53.994 ; C34.2@1,54 v1(1,54.741) ; 21.575,107.85 21.588,107.863 ; 21.588,109.088 21.6,109.1 ; v1(42.545,110.49) 42.573,110.462 42.573,109.763 C31.2@42.6,109.735 42.6,109.1 42.588,109.088 42.588,108.498 LED3.2@42.575,108.485 ; v1(64,29.459) C37.2@64,30.2 64.013,30.212 64.013,31.437 LED9.2@64.025,31.45 ; v1(64,39.259) C38.2@64,40 64.013,40.012 64.013,41.237 LED10.2@64.025,41.25 ; v1(64,49.059) C39.2@64,49.8 64.013,49.812 64.013,51.037 LED11.2@64.025,51.05
  Top Layer w0.203: Q3.3@19.925,107 20.8,107 21.575,107.775 21.575,107.85 ; 21.588,107.863 21.588,109.088 ; 21.6,109.1 v1(21.6,110.4)
  Bottom Layer w0.5: v1(42.545,110.49) 37.735,115.3 25,115.3 22.4,112.7 22.4,110.8 22,110.4 v1(21.6,110.4) 21.193,110.4 20.9,110.693 20.9,112.7 18.4,115.2 2.9,115.2 1,113.3 1,104.8 1,89 1,86.5 3.3,84.2 3.3,71.626 1.01,69.336 1.01,54.755 1,54.746 v1(1,54.741) 1.01,54.731 1.01,44.95 v1(1,44.941) 1.01,44.931 1.01,41.671 1.01,35.15 v1(1,35.141) 1.01,35.131 1.01,1.79 2.151,0.649 61.334,0.649 63.4,2.715 63.4,28.08 64,28.68 v1(64,29.459) ; v1(64,39.259) 64,47.634 ; v1(64,29.459) v1(64,39.259) ; 64,47.634 v1(64,49.059)
VSYS: C5.2 C33.2 C64.2 D10.K D11.K L3.1 M1.F4 Q3.2 Q4.2 R26.2 R36.2 R40.2 U4.3 U9.4 | length 24
  Top Layer w0.203: v1(4.674,61.446) C33.2@5.224,61.446 ; C33.2@5.249,61.446 5.274,61.471 5.274,62.696 U9.4@5.299,62.721 ; L3.1@5.301,51.757 L3.1@5.711,51.757 ; L3.1@5.711,51.357 6.22,51.866 6.22,52.171 6.939,52.889 7.458,52.889 U4.3@7.461,52.892 ; v1(8.552,63.802) 8.552,63.869 8.667,63.984 R40.2@8.667,64.519 ; v1(15.9,105.7) R26.2@15.9,106.4 16.758,106.4 16.877,106.281 16.877,106.223 17.05,106.05 Q3.2@17.275,106.05 ; v1(40.436,104.567) 40.482,104.567 40.678,104.37 41.377,104.37 41.736,104.73 41.621,104.845 41.002,104.845 40.699,105.148 v1(40.632,105.148) ; D10.K@50.3,11.9 D10.K@50.311,11.911 ; D11.K@53.4,17.9 D11.K@53.411,17.911 ; C5.2@62.9,103.5 v1(63.8,103.5) ; C5.2@63.144,103.226 63.214,103.226 63.767,102.674 v1(63.782,102.674)
  Top Layer w0.32: v1(58.682,102.128) 58.732,102.128 59.332,102.728 59.382,102.728 M1.F4@59.432,102.678 ; v1(58.7,103.3) 58.75,103.3 59.35,102.7 M1.F4@59.4,102.7 M1.F4@59.45,102.75
  Top Layer w0.5: L3.1@5.301,51.357 L3.1@5.711,51.357 ; L3.1@6.036,51.117 6.111,51.042 v1(6.701,51.042) 7.08,51.042 7.276,50.846 7.305,50.846 C64.2@7.501,51.042 ; v1(7.301,50.242) C64.2@7.301,51.042 ; D10.K@50.3,11.9 v1(51.2,11.9) ; D10.K@50.311,11.911 v1(50.311,12.849) ; v1(52.177,15.85) Q4.2@53.025,15.85 ; v1(52.5,17.9) D11.K@53.4,17.9 53.2,17.7 53.2,15.875 Q4.2@53.175,15.85 ; D11.K@53.411,17.911 v1(53.411,18.849)
WIFI_BUCK: M1.C2 U1.30 | length 0.9
  Top Layer w0.127: v1(54.2,105.7) 54.25,105.7 54.85,105.1 M1.C2@54.9,105.1
WIFI_C\S\: M1.F3 U1.36 | length 43.9
  Top Layer w0.127: U1.36@39.3,85.6 39.53,85.6 39.624,85.506 39.624,83.907 39.497,83.78 v1(39.497,83.693) ; v1(58.7,104.5) 58.75,104.5 59.35,103.9 M1.F3@59.4,103.9 M1.F3@59.45,103.95
  Bottom Layer w0.127: v1(39.497,83.693) 39.497,83.196 42.041,80.652 44.23,80.652 44.604,81.026 50.862,81.026 53.099,83.263 53.099,90.324 52.07,91.353 52.07,94.229 58.241,100.4 58.241,104.041 v1(58.7,104.5)
WIFI_IRQ: M1.C5 U1.46 | length 34.2
  Top Layer w0.127: U1.46@43.7,84.8 43.7,81.676 43.942,81.435 v1(43.942,81.347) ; v1(54.2,102.1) 54.25,102.1 54.85,101.5 M1.C5@54.9,101.5
  Bottom Layer w0.127: v1(43.942,81.347) 43.991,81.347 44.178,81.534 50.651,81.534 52.591,83.473 52.591,90.114 51.562,91.142 51.562,94.439 53.759,96.636 53.759,101.659 v1(54.2,102.1)
pads on no net: A1.1 A1.2 A1.3 FID1.F FID2.F FID3.F FID4.F FID5.F FID6.F J1. J1.1 J1.3 J1.6 J2. J2.1 J2.3 J2.6 J4.A8 J4.B8 J4.MH J4.MP@59.61,86.175 J4.MP@59.61,94.825 J4.MP@63.79,86.175 J4.MP@63.79,94.825 J5.1 J5.4 J5.6 J5.7 J5.19 J7.6 J8. J8.1 J8.8 J8.CD LED11.1 M1.3 M1.4 M1.7 M1.8 M1.A5 M1.A6 M1.B1 M1.C4 M1.C6 M1.D1 M1.D4 M1.D5 M1.F5 M1.Z5 M1.Z6 M2.8 U1.2 U1.3 U1.4 U1.5 U1.6 U1.21 U1.22 U1.23 U1.24 U1.44 U1.45 U6.2 U6.3

## Polygon pours and split planes (outlines as drawn)
VSYS on Bottom Layer "VSYS_L04_P-001" (solid, remove dead copper, pour order 8): 46.101,87.249 45.466,86.614 39.889,86.614 32.385,86.614 24.511,78.74 6.477,78.74 6.477,105.1 16.7,105.1 16.7,106.3 5.08,106.3 5.08,77.1 21.2,77.1 54.8,77.1 54.8,31.1 50.4,26.7 50.4,14.333 49.2,13.133 49.2,11.217 54.983,11.217 55,11.2 65,11.2 65,105.4 38.4,105.4 38.4,103.459 46.067,95.792 46.067,95.758 48.133,93.692 48.133,91.305 46.101,89.273
3.3V on Bottom Layer "3V3_L04_P-001" (solid, remove dead copper, pour order 10): -0.1,116.1 64.9,116.1 64.9,0.1 -0.1,0.1
2350_3.3V on Bottom Layer "2350_3.3V_L04_P005" (solid, remove dead copper, pour order 5): 8.763,91.948 12.954,96.139 15.621,96.139 17.399,97.917 17.399,102.743 18.796,104.14 20.193,104.14 22.733,101.6 33.655,101.6 34.29,100.965 34.29,91.059 27.559,84.328 12.065,84.328 8.763,87.63
GND on Top Layer "GND_L01_P009" (solid, pour order 9): 50.7,20.6 50.7,22.064 56.336,27.7 59.063,27.7 59.063,20.663 59,20.6
3.3V_nRF on Top Layer "3.3V_nRF_L01_P-001" (solid, pour order 6): 65,100.999 64.999,101 60.104,100.999 58.6,99.495 58.6,97.7 65,97.7
GND on Layer 2 "GND_L02_P-001" (solid, pour order 1): 0,116 65,116 65,0 0,0
GND on Layer 3 "GND_L03_P-001" (solid, pour order 2): 0,116 65,116 65,0 0,0

## Other copper
Multi-Layer:
  pour cut-out: 65,80.977 58.5,80.977 58.5,53.466 65,53.466
  pour cut-out: 47.15,115.629 47.15,110.467 61.147,110.467 61.147,115.629

## Silkscreen, mask and mechanical layers (free items; w line width, h text height)
Top Overlay:
  region: 8.045,9.515 ccw(c10.045,9.515) 10.045,7.515 ccw(c10.045,9.515) 12.045,9.515 ccw(c10.045,9.515) 10.045,11.515 ccw(c10.045,9.515)
Bottom Overlay:
  drawing of 245 lines, arcs and shapes, not listed
  text "'.Project' V'.Revision'" at 36.354,6.246 h2
  text ".Print_Date" at 36.896,4.502 h2
Mechanical 1:
  circle w0.006: c46.938,5.5 r0.003
  circle w0.006: c10,9.5 r0.003
  circle w0.006: c10,2.5 r0.003
  circle w0.006: c17,9.5 r0.003
  circle w0.006: c10,16.5 r0.003
  circle w0.006: c3,9.5 r0.003
  circle w0.013: c10,9.5 r3
  lines w0.013: 3,9.5 17,9.5 ; 10,2.5 10,16.5 ; 46.938,5.5 59.062,12.5 ; 0.91,11.1 5.09,7.9 ; 0.91,11.1 0.91,7.9 5.09,7.9 ; 0.91,11.1 5.09,11.1 5.09,7.9 ; 7.91,0.9 12.09,4.1 ; 7.91,0.9 7.91,4.1 ; 7.91,0.9 12.09,0.9 ; 7.91,4.1 12.09,4.1 ; 7.91,4.1 12.09,0.9 ; 7.91,14.9 12.09,18.1 ; 7.91,14.9 12.09,14.9 ; 7.91,14.9 7.91,18.1 ; 7.91,18.1 12.09,14.9 ; 7.91,18.1 12.09,18.1 ; 12.09,0.9 12.09,4.1 ; 12.09,14.9 12.09,18.1 ; 14.91,7.9 19.09,11.1 ; 14.91,7.9 19.09,7.9 ; 14.91,7.9 14.91,11.1 ; 14.91,11.1 19.09,7.9 ; 14.91,11.1 19.09,11.1 ; 19.09,7.9 19.09,11.1 ; 44.848,3.9 44.848,7.1 ; 44.848,3.9 49.028,7.1 ; 44.848,3.9 49.028,3.9 ; 44.848,7.1 49.028,3.9 ; 44.848,7.1 49.028,7.1 ; 49.028,3.9 49.028,7.1 ; 56.972,10.9 56.972,14.1 ; 56.972,10.9 61.152,14.1 ; 56.972,10.9 61.152,10.9 ; 56.972,14.1 61.152,10.9 ; 56.972,14.1 61.152,14.1 ; 61.152,10.9 61.152,14.1 ; 0,0 65,0 65,5 65,116 0,116 0,5 0,0

## Text inside footprints (layer, text, board x,y; h text height)
J3: Top Overlay "3" at 54.469,25.956 h2 r270; Top Overlay "1" at 54.458,19.073 h2 r270
J5: Top Overlay "24" at 6.121,93.437 h1 r90; Top Overlay "1" at 6.221,108.382 h1 r90
J6: Top Overlay "40" at 45.041,10.432 h2 r180; Top Overlay "1" at 21.535,10.443 h2 r180
LS1: Top Overlay "-" at 12.094,28.187 h3 r90; Top Overlay "+" at 10.766,20.506 h3
U6: Top Overlay "Y" at 26.802,89.032 h1.5; Top Overlay "X" at 23.901,92.132 h1.5; Top Overlay "Z" at 25.762,92.032 h1.5